# Altium PCB STM32_PLC.PcbDoc (part 2 of 3)
Units mm, origin at the board's own origin, x right, y up, seen from the top; angles counter-clockwise.
Board outline 150 x 150 mm, 4 copper layers ([L1] TOP, [L2] GND, [L3] POWER, [L4] BOTTOM), stack 1.58 mm thick; 307 components, 251 nets, 964 pads, 318 vias.
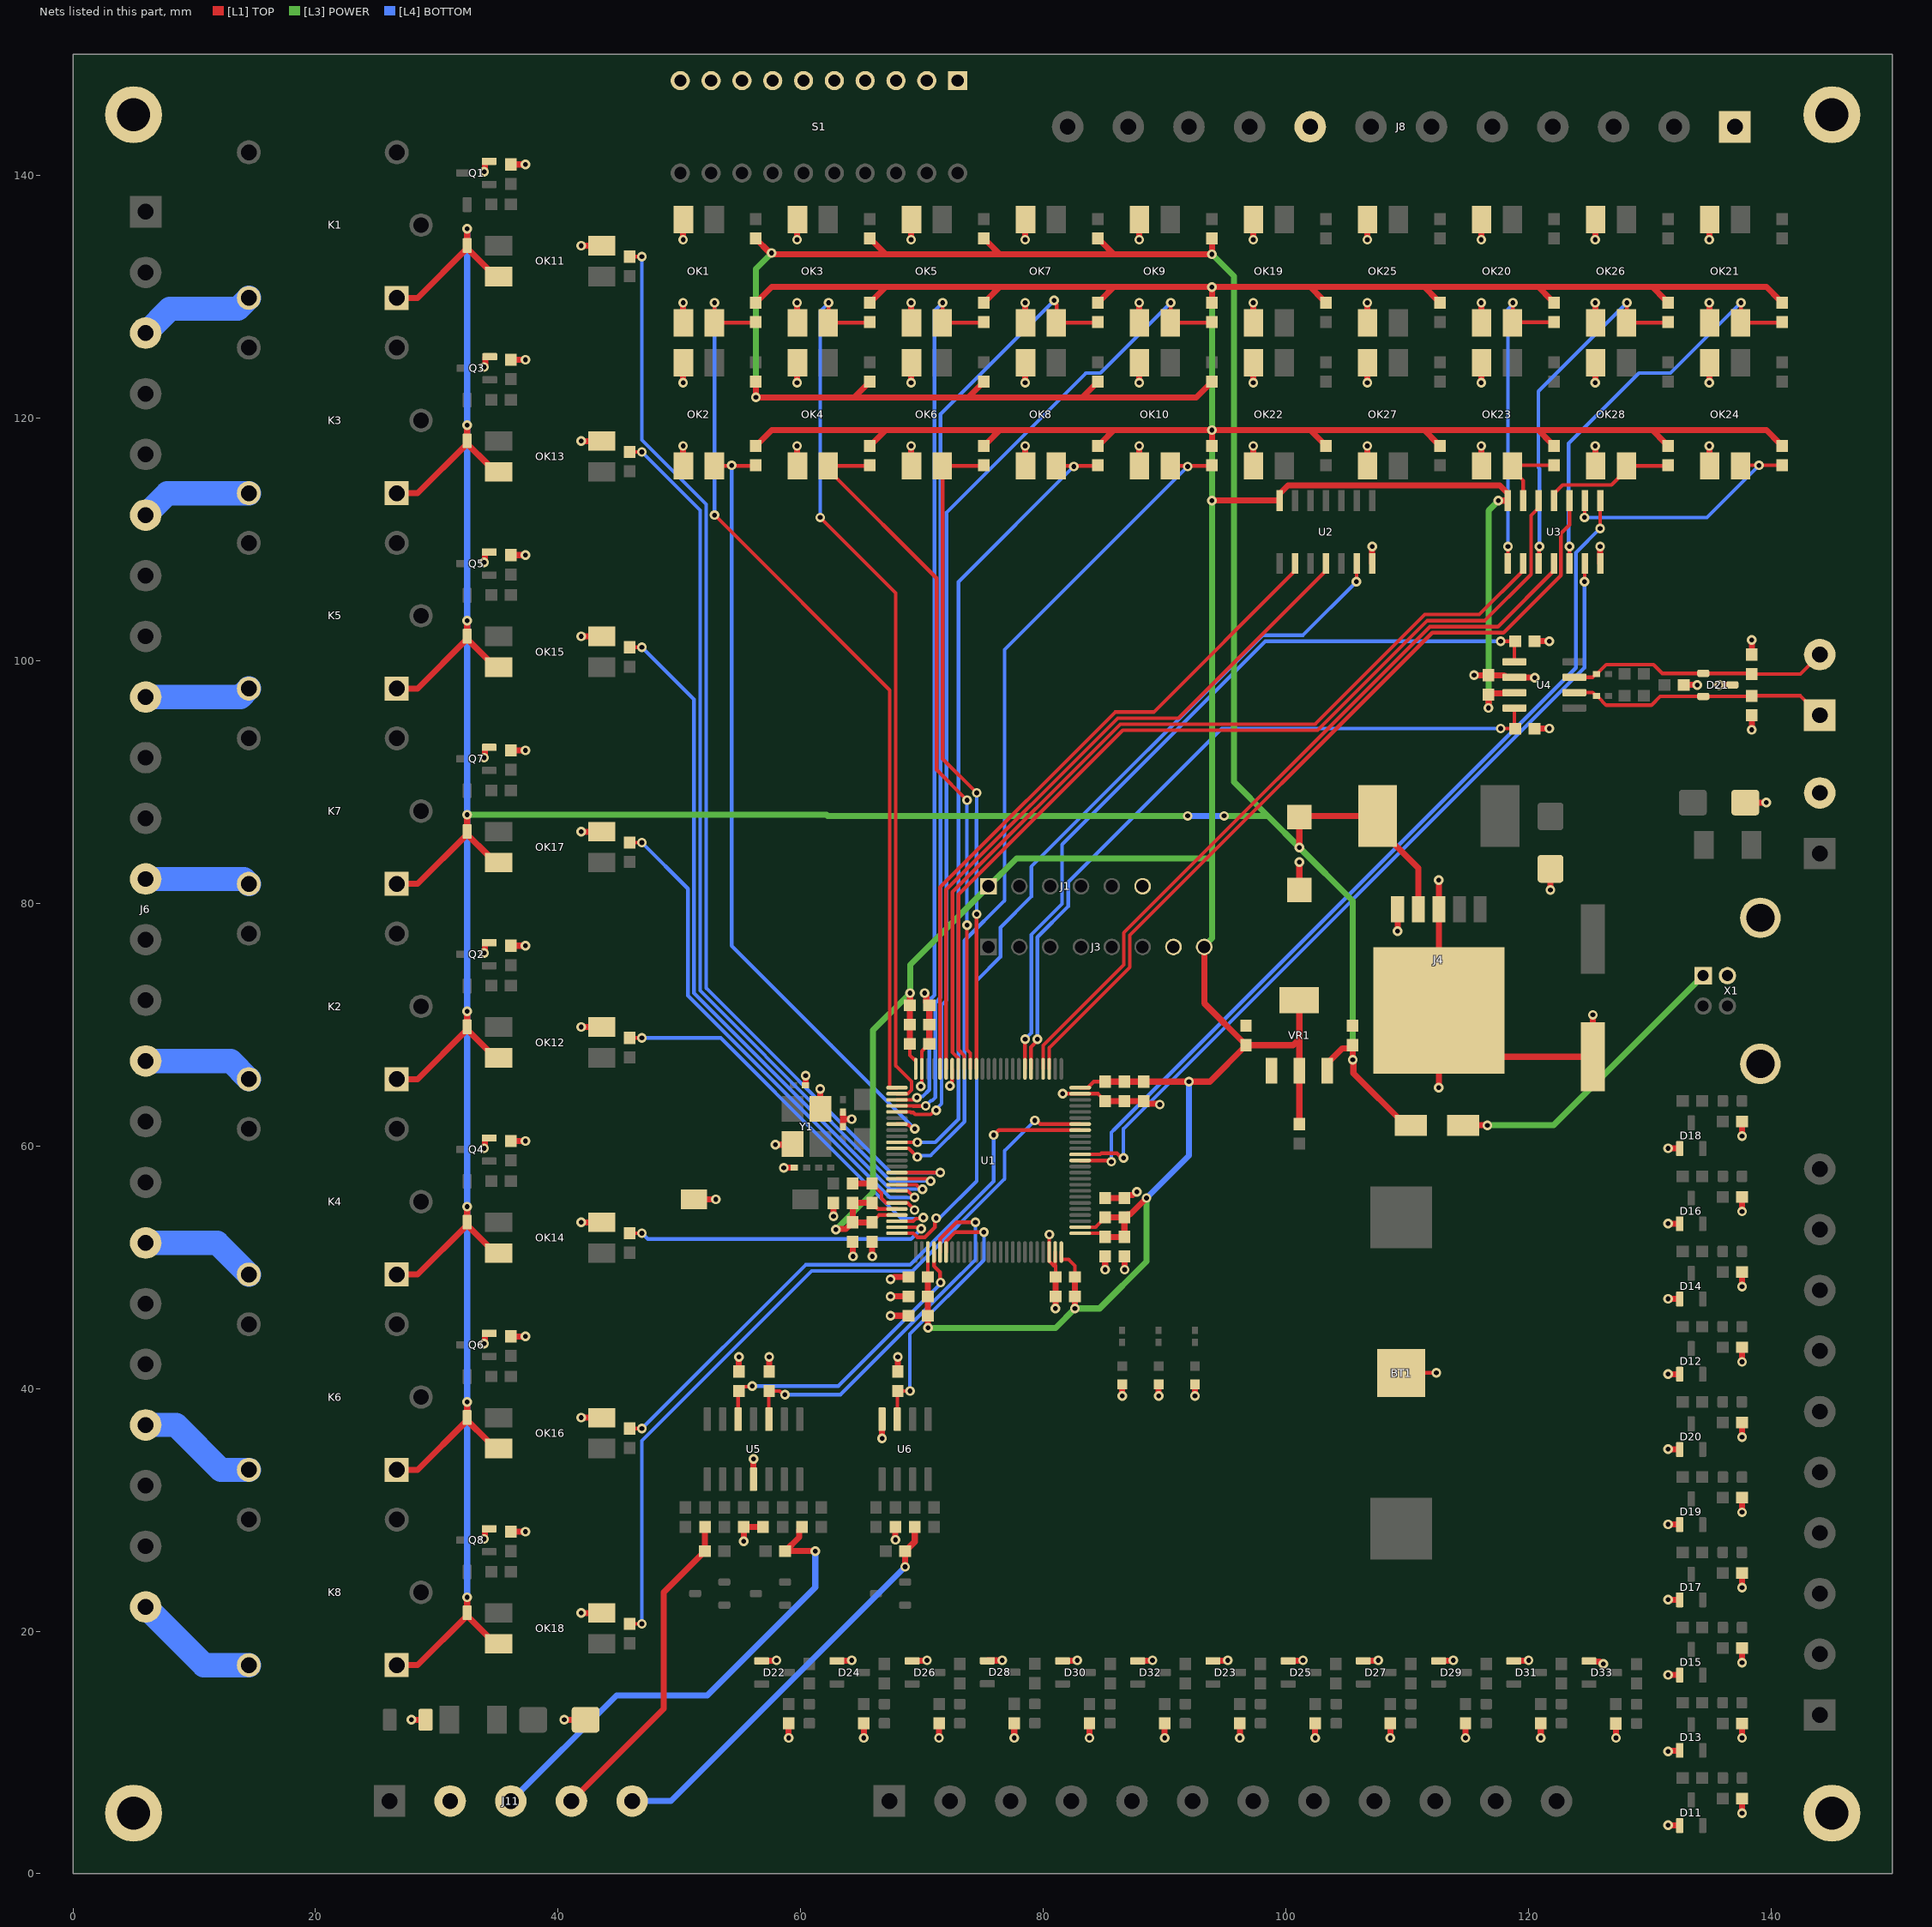
[diagram p4: the nets of this part, all layers, seen from the top]

## Part data
BT1: "Battery Holder: SMT, 1 Coin Cell, 20mm, PhosBronze/Tin-Nickel", Package="NON STANDARD-2 Keystone", Check_prices=https://www.snapeda.com/parts/3002/Keystone/view-part/?ref=eda, MF="Keystone Electronics Corp.", MP=3002, SnapEDA_Link=https://www.snapeda.com/parts/3002/Keystone/view-part/?ref=snap
C1 C2 C4 C5 C7 C8 C20 C36 C37 C38: "CAP, CERM, 100 nF, 25 V, +/- 10%, X7R, AEC-Q200 Grade 1, 0603", Cap_Case=0603, Manufacturer=MuRata, PartNumber=GCM188R70J225KE22D, Supplier Part Number 1=490-5316-1-ND, TempCo=X7R, Tolerance_%=10%, Value1=Unknown, Value2=6.3V, ValueDisplayed=100nF, AEC Category=Q200, AEC Grade=1, AEC Qualified=Y, Cap_F=2.2µF, ComponentLink1Description="Datasheet link", ComponentLink1URL=http://psearch.en.murata.com/capacitor/product/GCM188R70J225KE22%23.pdf, CompType=Capacitor, LatestRevisionDate=2017-03-09, MountType=SMT, PackageReference=0603, Polarized=N, Published=2008-06-19, Publisher="Texas Instruments", RoHS=Y, SizeArea_mm2=1.28, SizeAreaWB_mm2=4.68, SizeX_mm=1.6, SizeY_mm=0.8, SizeZ_mm=1, Supplier 1=Digi-Key, Supplier 2=Mouser, Supplier Part Number 2=81-GCM188R70J225KE2D, TaMax_C=125°C, TaMin_C=-55°C, Technology=Ceramic, U/M=EA, VDC_V=6.3V
C3 C6 C9: "CAP, CERM, 4.7 uF, 10 V, +/- 10%, X7R, AEC-Q200 Grade 1, 0603", Cap_Case=0603, Manufacturer=MuRata, PartNumber=GCM188R70J225KE22D, Supplier Part Number 1=490-5316-1-ND, TempCo=X7R, Tolerance_%=10%, Value1=Unknown, Value2=6.3V, ValueDisplayed=4.7uF, AEC Category=Q200, AEC Grade=1, AEC Qualified=Y, Cap_F=2.2µF, ComponentLink1Description="Datasheet link", ComponentLink1URL=http://psearch.en.murata.com/capacitor/product/GCM188R70J225KE22%23.pdf, CompType=Capacitor, LatestRevisionDate=2017-03-09, MountType=SMT, PackageReference=0603, Polarized=N, Published=2008-06-19, Publisher="Texas Instruments", RoHS=Y, SizeArea_mm2=1.28, SizeAreaWB_mm2=4.68, SizeX_mm=1.6, SizeY_mm=0.8, SizeZ_mm=1, Supplier 1=Digi-Key, Supplier 2=Mouser, Supplier Part Number 2=81-GCM188R70J225KE2D, TaMax_C=125°C, TaMin_C=-55°C, Technology=Ceramic, U/M=EA, VDC_V=6.3V
C10 C11: library part "CAP 1uF 0603", "CAP, CERM, 1 uF, 16 V, +/- 10%, X7R, AEC-Q200 Grade 1, 0603", Cap_Case=0603, Manufacturer=MuRata, Supplier Part Number 1=490-5241-6-ND, TempCo=X7R, Tolerance_%=10%, Value1=Unknown, Value2=16V, ValueDisplayed=10uF, AEC Category=Q200, AEC Grade=1, AEC Qualified=Y, Cap_F=1µF, ComponentLink1Description="Datasheet link", ComponentLink1URL=http://psearch.en.murata.com/capacitor/product/GCM188R71C105KA64%23.pdf, CompType=Capacitor, LatestRevisionDate=2017-03-09, MountType=SMT, PackageReference=0603, PartNumber=GCM188R71C105KA64D, Polarized=N, Published=2008-06-19, Publisher="Texas Instruments", RoHS=Y, SizeArea_mm2=1.28, SizeAreaWB_mm2=4.68, SizeX_mm=1.6, SizeY_mm=0.8, SizeZ_mm=1, Supplier 1=Digi-Key, Supplier 2=Mouser, Supplier Part Number 2=81-GCM188R71C105K64D, TaMax_C=125°C, TaMin_C=-55°C, Technology=Ceramic, U/M=EA, VDC_V=16V
C12 C21: library part "CAP 10pF 0402 50V", "CAP, CERM, 10 pF, 50 V, +/- 5%, X7R, AEC-Q200 Grade 1, 0402", Cap_Case=0402, Manufacturer=TDK, Supplier Part Number 1=445-6899-1-ND, TempCo=X7R, Tolerance_%=10%, Value1="0.039064 ohm", Value2=50V, ValueDisplayed=10pF, AEC Category=Q200, AEC Grade=1, AEC Qualified=Y, Cap_F=100nF, ComponentLink1Description="Datasheet link", ComponentLink1URL=https://product.tdk.com/en/search/capacitor/ceramic/mlcc/info?part_no=CGA2B3X7R1H104K050BB, CompType=Capacitor, ESR_ohm=0.039064, IRMS_A=8.14669dA, LatestRevisionDate=2017-03-09, MountType=SMT, PackageReference=0402, PartNumber=CGA2B3X7R1H104K050BB, Polarized=N, Published=2008-06-19, Publisher="Texas Instruments", RoHS=Y, SizeArea_mm2=0.5, SizeAreaWB_mm2=3, SizeX_mm=1, SizeY_mm=0.5, SizeZ_mm=0.6, Supplier 1=Digi-Key, Supplier 2=Newark, Supplier 3=Mouser, Supplier Part Number 2=04X3148, Supplier Part Number 3=810-CGA2B3X7R1H104K, TaMax_C=125°C, TaMin_C=-55°C, Technology=Ceramic, U/M=EA, VDC_V=50V
C13 C22: library part "CAP 4.7pF 0402", "CAP, CERM, 4.7 pF, 50 V, +/- 2%, C0G/NP0, 0402", Cap_Case=0402, Manufacturer=MuRata, Supplier Part Number 1=490-8102-1-ND, TempCo=C0G/NP0, Tolerance_%=2%, Value1=Unknown, Value2=50V, ValueDisplayed=4.7pF, AEC Category=Q200, AEC Grade=N/A, AEC Qualified=N, Cap_F=4.7pF, ComponentLink1Description="Datasheet link", ComponentLink1URL=http://psearch.murata.com/capacitor/product/GJM1555C1H4R7BB01%23.pdf, CompType=Capacitor, LatestRevisionDate=2017-03-09, MountType=SMT, PackageReference=0402, PartNumber=GJM1555C1H4R7BB01D, Polarized=N, Published=2008-06-19, Publisher="Texas Instruments", RoHS=Y, SizeArea_mm2=0.5, SizeAreaWB_mm2=3, SizeX_mm=1, SizeY_mm=0.5, SizeZ_mm=0.6, Supplier 1=Digi-Key, Supplier 2=Mouser, Supplier Part Number 2=81-GJM1555C1H4R7BB01, TaMax_C=125°C, TaMin_C=-55°C, Technology=Ceramic, U/M=EA, VDC_V=50V
C14 C16 C18 C23 C25 C29 C30 C31 C32 C33 C34: "CAP, CERM, 10 nF, 50 V, +/- 10%, X7R, AEC-Q200 Grade 1, 0603", Cap_Case=0603, Manufacturer=MuRata, PartNumber=GCM188R70J225KE22D, Supplier Part Number 1=490-5316-1-ND, TempCo=X7R, Tolerance_%=10%, Value1=Unknown, Value2=6.3V, ValueDisplayed=10nF, AEC Category=Q200, AEC Grade=1, AEC Qualified=Y, Cap_F=2.2µF, ComponentLink1Description="Datasheet link", ComponentLink1URL=http://psearch.en.murata.com/capacitor/product/GCM188R70J225KE22%23.pdf, CompType=Capacitor, LatestRevisionDate=2017-03-09, MountType=SMT, PackageReference=0603, Polarized=N, Published=2008-06-19, Publisher="Texas Instruments", RoHS=Y, SizeArea_mm2=1.28, SizeAreaWB_mm2=4.68, SizeX_mm=1.6, SizeY_mm=0.8, SizeZ_mm=1, Supplier 1=Digi-Key, Supplier 2=Mouser, Supplier Part Number 2=81-GCM188R70J225KE2D, TaMax_C=125°C, TaMin_C=-55°C, Technology=Ceramic, U/M=EA, VDC_V=6.3V
C15 C17 C19 C24 C26: library part "CAP 1uF 0603", "CAP, CERM, 1 uF, 16 V, +/- 10%, X7R, AEC-Q200 Grade 1, 0603", Cap_Case=0603, Manufacturer=MuRata, Supplier Part Number 1=490-5241-6-ND, TempCo=X7R, Tolerance_%=10%, Value1=Unknown, Value2=16V, ValueDisplayed=1uF, AEC Category=Q200, AEC Grade=1, AEC Qualified=Y, Cap_F=1µF, ComponentLink1Description="Datasheet link", ComponentLink1URL=http://psearch.en.murata.com/capacitor/product/GCM188R71C105KA64%23.pdf, CompType=Capacitor, LatestRevisionDate=2017-03-09, MountType=SMT, PackageReference=0603, PartNumber=GCM188R71C105KA64D, Polarized=N, Published=2008-06-19, Publisher="Texas Instruments", RoHS=Y, SizeArea_mm2=1.28, SizeAreaWB_mm2=4.68, SizeX_mm=1.6, SizeY_mm=0.8, SizeZ_mm=1, Supplier 1=Digi-Key, Supplier 2=Mouser, Supplier Part Number 2=81-GCM188R71C105K64D, TaMax_C=125°C, TaMin_C=-55°C, Technology=Ceramic, U/M=EA, VDC_V=16V
C27: library part "CAP ALUMINUM", "CAPACITOR ALUM ELEC, 330UF, 20%, 35V, SMD; Product Range:PANASONIC - TK Series; Capacitance:330ÂµF; Capacitance Tolerance:Â± 20%; Capacitor Case Style:SMD; Diameter:12.5mm; ESR:0.12ohm; Height:13.5mm; Operating Temperature Max:125Â°C ;RoHS Compliant: Yes", Package="RADIAL-2 Panasonic", Availability="No availability data", Check_prices=https://www.snapeda.com/parts/EEETK1V331AQ/Panasonic/view-part/5787067/?ref=eda, MF=Panasonic, MP=EEETK1V331AQ, Price=None, SnapEDA_Link=https://www.snapeda.com/parts/EEETK1V331AQ/Panasonic/view-part/5787067/?ref=snap
C28: library part "CAP ALUMINUM 8X10.5MM", "Aluminum Electrolytic Capacitors, FT-V (????????) Series, 470uF +/- 20%, 25V, Surface mount type(8x10.5mm) Vibration-proof product", Package="RADIAL-2 Panasonic", Check_prices=https://www.snapeda.com/parts/EEE-FT1E471AV/Panasonic/view-part/?ref=eda, MF=Panasonic, MP=EEE-FT1E471AV, SnapEDA_Link=https://www.snapeda.com/parts/EEE-FT1E471AV/Panasonic/view-part/?ref=snap
C35: library part "CAP 10uF 1206", Cap_Case=1210, Manufacturer=TDK, Supplier Part Number 1=445-5720-1-ND, TempCo=X7R, Tolerance_%=20%, Value1=Unknown, Value2=25V, ValueDisplayed=10uF, AEC Category=Q200, AEC Grade=1, AEC Qualified=Y, Cap_F=10µF, ComponentLink1Description="Datasheet link", ComponentLink1URL=http://product.tdk.com/en/catalog/datasheets/mlcc_automotive_general_en.pdf, CompType=Capacitor, LatestRevisionDate=2017-03-09, MountType=SMT, PackageReference=1210, PartNumber=CGA6P1X7R1E106M250AC, Polarized=N, Published=2008-06-19, Publisher="Texas Instruments", RoHS=Y, SizeArea_mm2=8, SizeAreaWB_mm2=14.7, SizeX_mm=3.2, SizeY_mm=2.5, SizeZ_mm=2.8, Supplier 1=Digi-Key, Supplier 2=Mouser, Supplier Part Number 2=810-CGA6P1X7R1E106M, TaMax_C=125°C, TaMin_C=-55°C, Technology=Ceramic, U/M=EA, VDC_V=25V
D1 D34: "Diode Schottky 40V 2A Surface Mount DO-214AA (SMB)", Package="DO-214AA ON Semiconductor", Availability="In Stock", Check_prices=https://www.snapeda.com/parts/SS24/Onsemi/view-part/?ref=eda, MF="ON Semiconductor", MP=SS24, Price=None, SnapEDA_Link=https://www.snapeda.com/parts/SS24/Onsemi/view-part/?ref=snap
D2: library part SS24, "Diode Schottky 40V 2A Surface Mount DO-214AA (SMB)", Package="DO-214AA ON Semiconductor", Availability="In Stock", Check_prices=https://www.snapeda.com/parts/SS24/Onsemi/view-part/?ref=eda, MF="ON Semiconductor", MP=SS24, Price=None, SnapEDA_Link=https://www.snapeda.com/parts/SS24/Onsemi/view-part/?ref=snap
D3 D4 D5 D6 D7 D8 D9 D10: "Diode Standard 100 V 300mA (DC) Surface Mount SOD-123", Package="SOD-123 Fairchild Semiconductor", Check_prices=https://www.snapeda.com/parts/1N4148W-7/Diodes+Inc./view-part/?ref=eda, MF="Diodes Inc.", MP=1N4148W-7, SnapEDA_Link=https://www.snapeda.com/parts/1N4148W-7/Diodes+Inc./view-part/?ref=snap
D11 D12 D13 D14 D15 D16 D17 D18 D19 D20 D22 D23 D24 D25 D26 D27 D28 D29 D30 D31 D32 D33 J1 J3: Package=None, Availability=Unavailable, Price=None
  D11 D12 D13 D14 D15 D16 D17 D18 D19 D20 D22 D23 D24 D25 D26 D27 D28 D29 D30 D31 D32 D33: MP=BZX84C10LT1G
  J1: MF="Samtec Inc.", MP=TSW-106-07-L-S
  J3: MF="Samtec Inc.", MP=TSW-108-07-L-S
DS1 DS2 DS3: library part "LED RED SMD", "LED, Red, SMD", Color=Red, Manufacturer=OSRAM, Value1=W, Value2=1.8V, Angle=160, ComponentLink1Description="Datasheet link", ComponentLink1URL=http://www.osram-os.com/Graphics/XPic2/00077099_0.pdf, CompType=LED, Io_A=20mA, MountType=SMT, PackageReference="SMD, 2-Leads, Body 1.3x0.8mm", PartNumber="LS L29K-G1J2-1-Z", RoHS=Y, TJmax_C=110°C, Type=?, Vf_V=1.8V, Vr_V=12V
F1 F24: library part "FUSE 1808", "Fuse, 5 A, 32VAC/VDC, SMD", Irating_A=5A, Manufacturer=Littelfuse, Supplier Part Number 1=F1608CT-ND, ComponentLink1Description="Datasheet URL", ComponentLink1URL=http://www.littelfuse.com/~/media/electronics/datasheets/fuses/littelfuse_fuse_440_datasheet.pdf.pdf, CompType=Fuse, Interrupt_AC=50A, Interrupt_DC=50A, MeltingTyp=4.761, MountType=SMT, PackageReference=1206, PartNumber=0440005.WR, RoHS=Y, Rtyp_Ohm=0.012, SizeArea_mm2=5.12, SizeAreaWB_mm2=10.92, SizeX_mm=3.2, SizeY_mm=1.6, SizeZ_mm=1.35, Supplier 1=Digi-Key, Supplier 2=Newark, Supplier 3=Mouser, Supplier Part Number 2=64R8013, Supplier Part Number 3=576-0440005.WR, VAC_V=32V, VDC_V=32V
F2 F3 F4 F5 F6 F7 F8 F9 F10 F11 F12 F13 F14 F15 F16 F17 F18 F19 F20 F21 F22 F23: library part "Polyfuse 0603"
J2: "Diode Schottky 40 V 1A Surface Mount DO-214AC (SMA)", Package="SMA-2 ON Semiconductor", Check_prices=https://www.snapeda.com/parts/SS14/Onsemi/view-part/?ref=eda, MF=ON, MP=SS14, SnapEDA_Link=https://www.snapeda.com/parts/SS14/Onsemi/view-part/?ref=snap
J4: Package=Package, Check_prices=https://www.snapeda.com/parts/LM2596/Texas+Instruments/view-part/?ref=eda, MF="Texas Instruments", MP=LM2596, SnapEDA_Link=https://www.snapeda.com/parts/LM2596/Texas+Instruments/view-part/?ref=snap
K1 K2 K3 K4 K5 K6 K7 K8: "5V Trigger Relay Module For Arduino And Raspberry Pi 5V Trigger Relay Module For Arduino And Raspberry Pi", Package="NON STANDARD-5 Songle Relay", Availability="Not in stock", Check_prices=https://www.snapeda.com/parts/SRD-05VDC-SL-C/Songle+Relay/view-part/?ref=eda, MF="Songle Relay", MP=SRD-05VDC-SL-C, Price=None, SnapEDA_Link=https://www.snapeda.com/parts/SRD-05VDC-SL-C/Songle+Relay/view-part/?ref=snap
L1: library part CDRH127_LDNP-221MC, "220 ÂµH Shielded - Inductor 1.45 A 338mOhm Max Nonstandard", Package="Nonstandard Sumida", Check_prices=https://www.snapeda.com/parts/CDRH127/LDNP-221MC/Sumida+America+Components+Inc./view-part/?ref=eda, MF="Sumida America", MP=CDRH127/LDNP-221MC, SnapEDA_Link=https://www.snapeda.com/parts/CDRH127/LDNP-221MC/Sumida+America+Components+Inc./view-part/?ref=snap
OK1 OK2 OK3 OK4 OK5 OK6 OK7 OK8 OK9 OK10 OK11 OK12 OK13 OK14 OK15 OK16 OK17 OK18 OK19 OK20 OK21 OK22 OK23 OK24 OK25 OK26 OK27 OK28: "RF Mixer IC Cellular, DCS, PCS, W-CDMA, WLAN Up Converter 50MHz ~ 400MHz 6-SuperMiniMold", Package=None, Check_prices=https://www.snapeda.com/parts/PC817/Renesas/view-part/?ref=eda, MF="Renesas Electronics America Inc", MP=PC817, SnapEDA_Link=https://www.snapeda.com/parts/PC817/Renesas/view-part/?ref=snap
Q1 Q2 Q3 Q4 Q5 Q6 Q7 Q8: "Mosfet Array 2 N-Channel (Dual) 60V 300mA 500mW Surface Mount PG-SOT363-6", Package="SOT-23-3 ON Semiconductor", Check_prices=https://www.snapeda.com/parts/2N7002/Onsemi/view-part/?ref=eda, MF=onsemi, MP=2N7002, SnapEDA_Link=https://www.snapeda.com/parts/2N7002/Onsemi/view-part/?ref=snap
R1: library part "RES 1.5K 0603 1%", "RES, 1.5K, 1%, 0.1 W, AEC-Q200 Grade 0, 0603", Manufacturer=Vishay-Dale, PartNumber=CRCW060320R0JNEA, Power_W=100mW, Supplier Part Number 1=541-20GCT-ND, TempCo="200 ppm/C", Tolerance_%=5%, Value2=0.1W, Value_Code=20R0, ValueDisplayed=1.5k, AEC Category=Q200, AEC Grade=0, AEC Qualified=Y, ComponentLink1Description="Datasheet link", ComponentLink1URL=http://www.vishay.com/docs/20035/dcrcwe3.pdf, CompType=Resistor, EIA_Code=E24, MountType=SMT, PackageReference=0603, Res_ohm=20, RoHS=E, SizeArea_mm2=1.28, SizeX_mm=1.6, SizeY_mm=0.8, SizeZ_mm=1, Supplier 1=Digi-Key, Supplier 2=Newark, Supplier 3=Mouser, Supplier Part Number 2=59M6784, Supplier Part Number 3=71-CRCW0603J-20-E3, Technology="Thick Film", Value1=5%, VDC_V=75V
R2: library part "RES 2K 0402", "RES, 2.00 k, 5%, 0.063 W, AEC-Q200 Grade 0, 0402", Manufacturer=Vishay-Dale, Power_W=63mW, Supplier Part Number 1=541-1.00KLCT-ND, TempCo="100 ppm/C", Tolerance_%=1%, Value2=0.063W, Value_Code=1k00, ValueDisplayed=2.00k, AEC Category=Q200, AEC Grade=0, AEC Qualified=Y, ComponentLink1Description="Datasheet link", ComponentLink1URL=http://www.vishay.com/docs/20035/dcrcwe3.pdf, CompType=Resistor, EIA_Code=E96, MountType=SMT, PackageReference=0402, PartNumber=CRCW04021K00FKED, Res_ohm=1k, RoHS=E, SizeArea_mm2=0.5, SizeX_mm=1, SizeY_mm=0.5, SizeZ_mm=0.6, Supplier 1=Digi-Key, Supplier 2=Newark, Supplier 3=Mouser, Supplier Part Number 2=52K6545, Supplier Part Number 3=71-CRCW0402-1.0K-E3, Technology="Thick Film", Value1=1%, VDC_V=50V
R3 R4 R5 R6 R7 R8 R9 R10 R11 R12 R13 R14 R15 R16 R17 R18 R19 R20 R21 R22: library part "RES 1.5K 0603 1%", "RES, 1.5K, 1%, 0.1 W, AEC-Q200 Grade 0, 0603", Manufacturer=Vishay-Dale, PartNumber=CRCW060320R0JNEA, Power_W=100mW, Supplier Part Number 1=541-20GCT-ND, TempCo="200 ppm/C", Tolerance_%=5%, Value2=0.1W, Value_Code=20R0, ValueDisplayed=1k, AEC Category=Q200, AEC Grade=0, AEC Qualified=Y, ComponentLink1Description="Datasheet link", ComponentLink1URL=http://www.vishay.com/docs/20035/dcrcwe3.pdf, CompType=Resistor, EIA_Code=E24, MountType=SMT, PackageReference=0603, Res_ohm=20, RoHS=E, SizeArea_mm2=1.28, SizeX_mm=1.6, SizeY_mm=0.8, SizeZ_mm=1, Supplier 1=Digi-Key, Supplier 2=Newark, Supplier 3=Mouser, Supplier Part Number 2=59M6784, Supplier Part Number 3=71-CRCW0603J-20-E3, Technology="Thick Film", Value1=5%, VDC_V=75V
R23 R24 R25 R26 R29 R30 R31 R32 R35 R36 R37 R38 R41 R42 R43 R44: library part "RES 10K 0603 1%", "RES, 10K, 1%, 0.1 W, AEC-Q200 Grade 0, 0603", Manufacturer=Vishay-Dale, PartNumber=CRCW060320R0JNEA, Power_W=100mW, Supplier Part Number 1=541-20GCT-ND, TempCo="200 ppm/C", Tolerance_%=5%, Value2=0.1W, Value_Code=20R0, ValueDisplayed=1k, AEC Category=Q200, AEC Grade=0, AEC Qualified=Y, ComponentLink1Description="Datasheet link", ComponentLink1URL=http://www.vishay.com/docs/20035/dcrcwe3.pdf, CompType=Resistor, EIA_Code=E24, MountType=SMT, PackageReference=0603, Res_ohm=20, RoHS=E, SizeArea_mm2=1.28, SizeX_mm=1.6, SizeY_mm=0.8, SizeZ_mm=1, Supplier 1=Digi-Key, Supplier 2=Newark, Supplier 3=Mouser, Supplier Part Number 2=59M6784, Supplier Part Number 3=71-CRCW0603J-20-E3, Technology="Thick Film", Value1=5%, VDC_V=75V
R27 R28 R33 R34 R39 R40 R45 R46 R115 R116 R119 R120 R121 R122 R123 R124 R125 R127 R128 R129: library part "RES 10K 0603 1%", "RES, 10K, 1%, 0.1 W, AEC-Q200 Grade 0, 0603", Manufacturer=Vishay-Dale, PartNumber=CRCW060320R0JNEA, Power_W=100mW, Supplier Part Number 1=541-20GCT-ND, TempCo="200 ppm/C", Tolerance_%=5%, Value2=0.1W, Value_Code=20R0, ValueDisplayed=10k, AEC Category=Q200, AEC Grade=0, AEC Qualified=Y, ComponentLink1Description="Datasheet link", ComponentLink1URL=http://www.vishay.com/docs/20035/dcrcwe3.pdf, CompType=Resistor, EIA_Code=E24, MountType=SMT, PackageReference=0603, Res_ohm=20, RoHS=E, SizeArea_mm2=1.28, SizeX_mm=1.6, SizeY_mm=0.8, SizeZ_mm=1, Supplier 1=Digi-Key, Supplier 2=Newark, Supplier 3=Mouser, Supplier Part Number 2=59M6784, Supplier Part Number 3=71-CRCW0603J-20-E3, Technology="Thick Film", Value1=5%, VDC_V=75V
R47 R48 R49 R50 R51 R52 R53 R54 R55 R56 R57 R58 R59 R60 R61 R62 R63 R64 R65 R66 R91 R92 R93 R94 R95 R96 R97 R98 R99 R100 R101 R102 R103 R104 R105 R106 R107 R108 R109 R110 R111 R112 R113 R114 R117 R118 R126: library part "RES 160R 0603", "RES, 160, 5%, 0.1 W, AEC-Q200 Grade 0, 0603", Manufacturer=Vishay-Dale, Power_W=100mW, Supplier Part Number 1=541-20GCT-ND, TempCo="200 ppm/C", Tolerance_%=5%, Value2=0.1W, Value_Code=20R0, ValueDisplayed=160, AEC Category=Q200, AEC Grade=0, AEC Qualified=Y, ComponentLink1Description="Datasheet link", ComponentLink1URL=http://www.vishay.com/docs/20035/dcrcwe3.pdf, CompType=Resistor, EIA_Code=E24, MountType=SMT, PackageReference=0603, PartNumber=CRCW060320R0JNEA, Res_ohm=20, RoHS=E, SizeArea_mm2=1.28, SizeX_mm=1.6, SizeY_mm=0.8, SizeZ_mm=1, Supplier 1=Digi-Key, Supplier 2=Newark, Supplier 3=Mouser, Supplier Part Number 2=59M6784, Supplier Part Number 3=71-CRCW0603J-20-E3, Technology="Thick Film", Value1=5%, VDC_V=75V
R67 R68 R69 R70 R71 R72 R73 R74 R75 R76 R77 R78 R79 R80 R81 R82 R83 R84 R85 R86: library part "RES 0R 0603", "RES, 0, 5%, 0.125 W, 0603", Manufacturer=Vishay/Beyschlag, Power_W=125mW, Supplier Part Number 1=MCT0603-0.0-ZZCT-ND, TempCo=ppm/C, Tolerance_%=5%, Value2=0.125W, Value_Code=0000, ValueDisplayed=1k, AEC Category=Q200, AEC Grade=N/A, AEC Qualified=N, ComponentLink1Description="Datasheet link", ComponentLink1URL=http://www.vishay.com/docs/28705/mcx0x0xpro.pdf, CompType=Resistor, EIA_Code=E24, LatestRevisionDate=2017-03-09, MountType=SMT, PackageReference=0603, PartNumber=MCT06030Z0000ZP500, Published=2008-06-26, Publisher="Texas Instruments", Res_ohm=0, RoHS=Y, SizeArea_mm2=1.28, SizeX_mm=1.6, SizeY_mm=0.8, SizeZ_mm=1, Supplier 1=Digi-Key, Supplier 2=Newark, Supplier 3=Mouser, Supplier Part Number 2=96Y9454, Supplier Part Number 3=594-MCT06030Z0000ZP5, Technology="Thin Film", U/M=EA, Value1=5%
R87 R90: library part "RES 0R 0402 0.1W", "RES, 0, 5%, 0.1 W, AEC-Q200 Grade 0, 0402", Manufacturer=Panasonic, Power_W=100mW, Supplier Part Number 1=P0.0JCT-ND, TempCo="600 ppm/C", Tolerance_%=5%, Value2=0.1W, Value_Code=0000, ValueDisplayed=0, AEC Category=Q200, AEC Grade=0, AEC Qualified=Y, ComponentLink1Description="Datasheet link", ComponentLink1URL=https://industrial.panasonic.com/cdbs/www-data/pdf/RDA0000/AOA0000C301.pdf, CompType=Resistor, EIA_Code=E24, MountType=SMT, PackageReference=0402, PartNumber=ERJ-2GE0R00X, Res_ohm=0, RoHS=Y, SizeArea_mm2=0.5, SizeAreaWB_mm2=3, SizeX_mm=1, SizeY_mm=0.5, SizeZ_mm=0.6, Supplier 1=Digi-Key, Supplier 2=Newark, Supplier 3=Mouser, Supplier Part Number 2=65T8307, Supplier Part Number 3=667-ERJ-2GE0R00X, Technology="Thick Film", Value1=5%, VDC_V=50V
R88 R89: library part "RES 60R 0603", "RES, 60, 5%, 0.125 W, 0603", Manufacturer=Vishay/Beyschlag, Power_W=125mW, Supplier Part Number 1=MCT0603-0.0-ZZCT-ND, TempCo=ppm/C, Tolerance_%=5%, Value2=0.125W, Value_Code=0000, ValueDisplayed=60, AEC Category=Q200, AEC Grade=N/A, AEC Qualified=N, ComponentLink1Description="Datasheet link", ComponentLink1URL=http://www.vishay.com/docs/28705/mcx0x0xpro.pdf, CompType=Resistor, EIA_Code=E24, LatestRevisionDate=2017-03-09, MountType=SMT, PackageReference=0603, PartNumber=MCT06030Z0000ZP500, Published=2008-06-26, Publisher="Texas Instruments", Res_ohm=0, RoHS=Y, SizeArea_mm2=1.28, SizeX_mm=1.6, SizeY_mm=0.8, SizeZ_mm=1, Supplier 1=Digi-Key, Supplier 2=Newark, Supplier 3=Mouser, Supplier Part Number 2=96Y9454, Supplier Part Number 3=594-MCT06030Z0000ZP5, Technology="Thin Film", U/M=EA, Value1=5%
R130 R131 R132: library part "RES 1K 0402", "RES, 1.00 k, 1%, 0.063 W, AEC-Q200 Grade 0, 0402", Manufacturer=Vishay-Dale, Power_W=63mW, Supplier Part Number 1=541-1.00KLCT-ND, TempCo="100 ppm/C", Tolerance_%=1%, Value2=0.063W, Value_Code=1k00, ValueDisplayed=220, AEC Category=Q200, AEC Grade=0, AEC Qualified=Y, ComponentLink1Description="Datasheet link", ComponentLink1URL=http://www.vishay.com/docs/20035/dcrcwe3.pdf, CompType=Resistor, EIA_Code=E96, MountType=SMT, PackageReference=0402, PartNumber=CRCW04021K00FKED, Res_ohm=1k, RoHS=E, SizeArea_mm2=0.5, SizeX_mm=1, SizeY_mm=0.5, SizeZ_mm=0.6, Supplier 1=Digi-Key, Supplier 2=Newark, Supplier 3=Mouser, Supplier Part Number 2=52K6545, Supplier Part Number 3=71-CRCW0402-1.0K-E3, Technology="Thick Film", Value1=1%, VDC_V=50V
S1: library part DS01-254-L-10BE, "10 Position, Through Hole, 2.54 mm Pitch, Raised Slide Actuator, Flat Bottom, Long Pin, DIP Switch", Package=None, Check_prices=https://www.snapeda.com/parts/DS01-254-L-10BE/Same+Sky/view-part/?ref=eda, MF="Same Sky", MP=DS01-254-L-10BE, SnapEDA_Link=https://www.snapeda.com/parts/DS01-254-L-10BE/Same+Sky/view-part/?ref=snap
U1: library part STM32F373VBT7, "ARM Cortex-M4 32-bit MCU, 128 KB Flash, 24 KB Internal RAM, 84 I/Os, 100-pin LQFP, -40 to 105 degC, Tray", I/Os (High Current)=84, Operating Frequency(F) (Processor speed) (MHz)=72, Supply Voltage(Vcc) min (V)=2, ComponentLink1Description="Manufacturer URL", ComponentLink1URL=http://www.st.com/web/en/home.html, ComponentLink2Description=Datasheet, ComponentLink2URL=http://www.st.com/st-web-ui/static/active/en/resource/technical/document/datasheet/DM00046749.pdf, ComponentLink3Description="Package Specification", ComponentLink3URL=http://www.st.com/st-web-ui/static/active/en/resource/technical/document/data_brief/DM00071938.pdf, Core="ARM Cortex-M4", DatasheetVersion="Rev. 3", FLASH Size (Prog) (kB)=128, Internal RAM Size (kB)=24, Mounting Technology="Surface Mount", PackageDescription="100-Pin Low Profile Quad Flat Package, 14 x 14 mm Body, 0.5 mm Pitch", PackageReference=LQFP100, PackageVersion="Rev. 1, 06/2013", Packing=Tray, PartNumber=STM32F373VBT7